# Altium PCB SmartWatch-V2.PcbDoc
Units mm, origin at the board's own origin, x right, y up, seen from the top; angles counter-clockwise.
Board outline 30.1 x 35.1 mm, 2 copper layers (Component Side, Bottom Layer), stack 0.581 mm thick; 80 components, 60 nets, 284 pads, 68 vias.
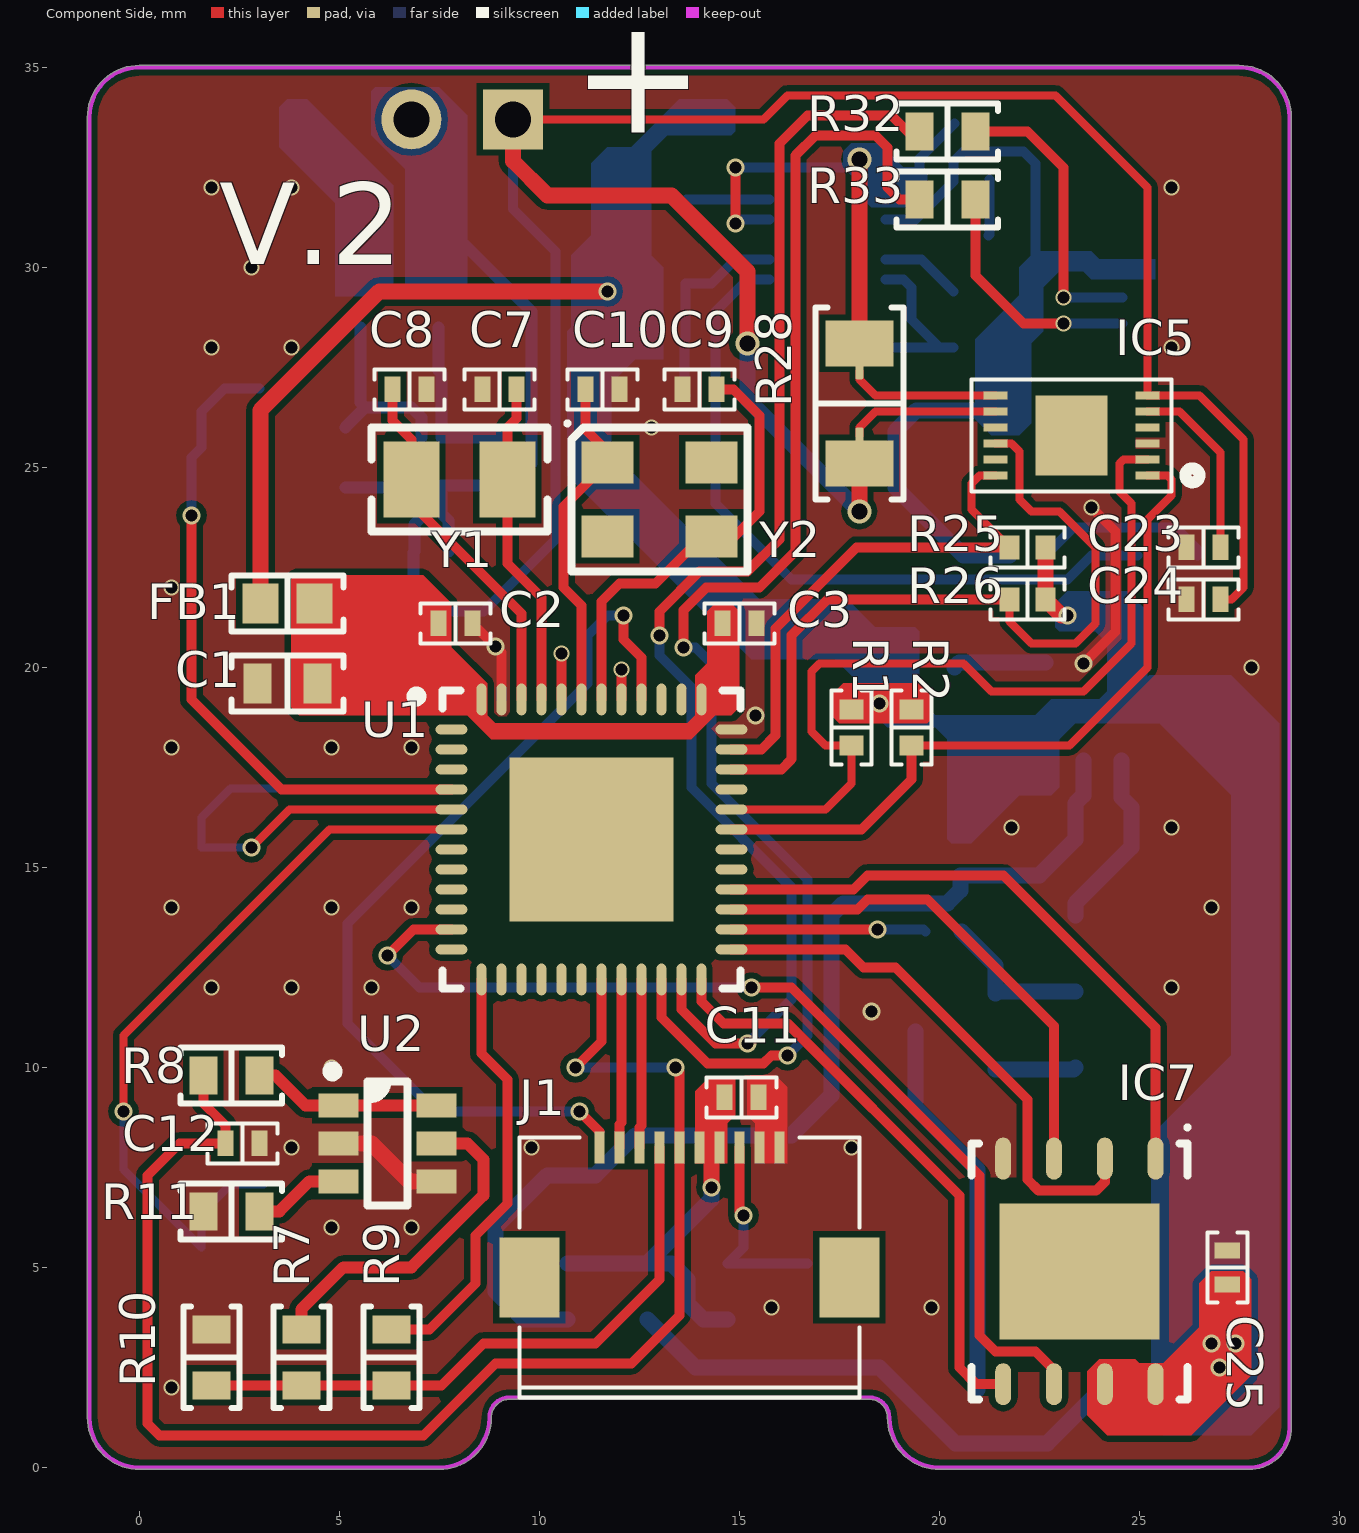
[diagram p0: Component Side view]
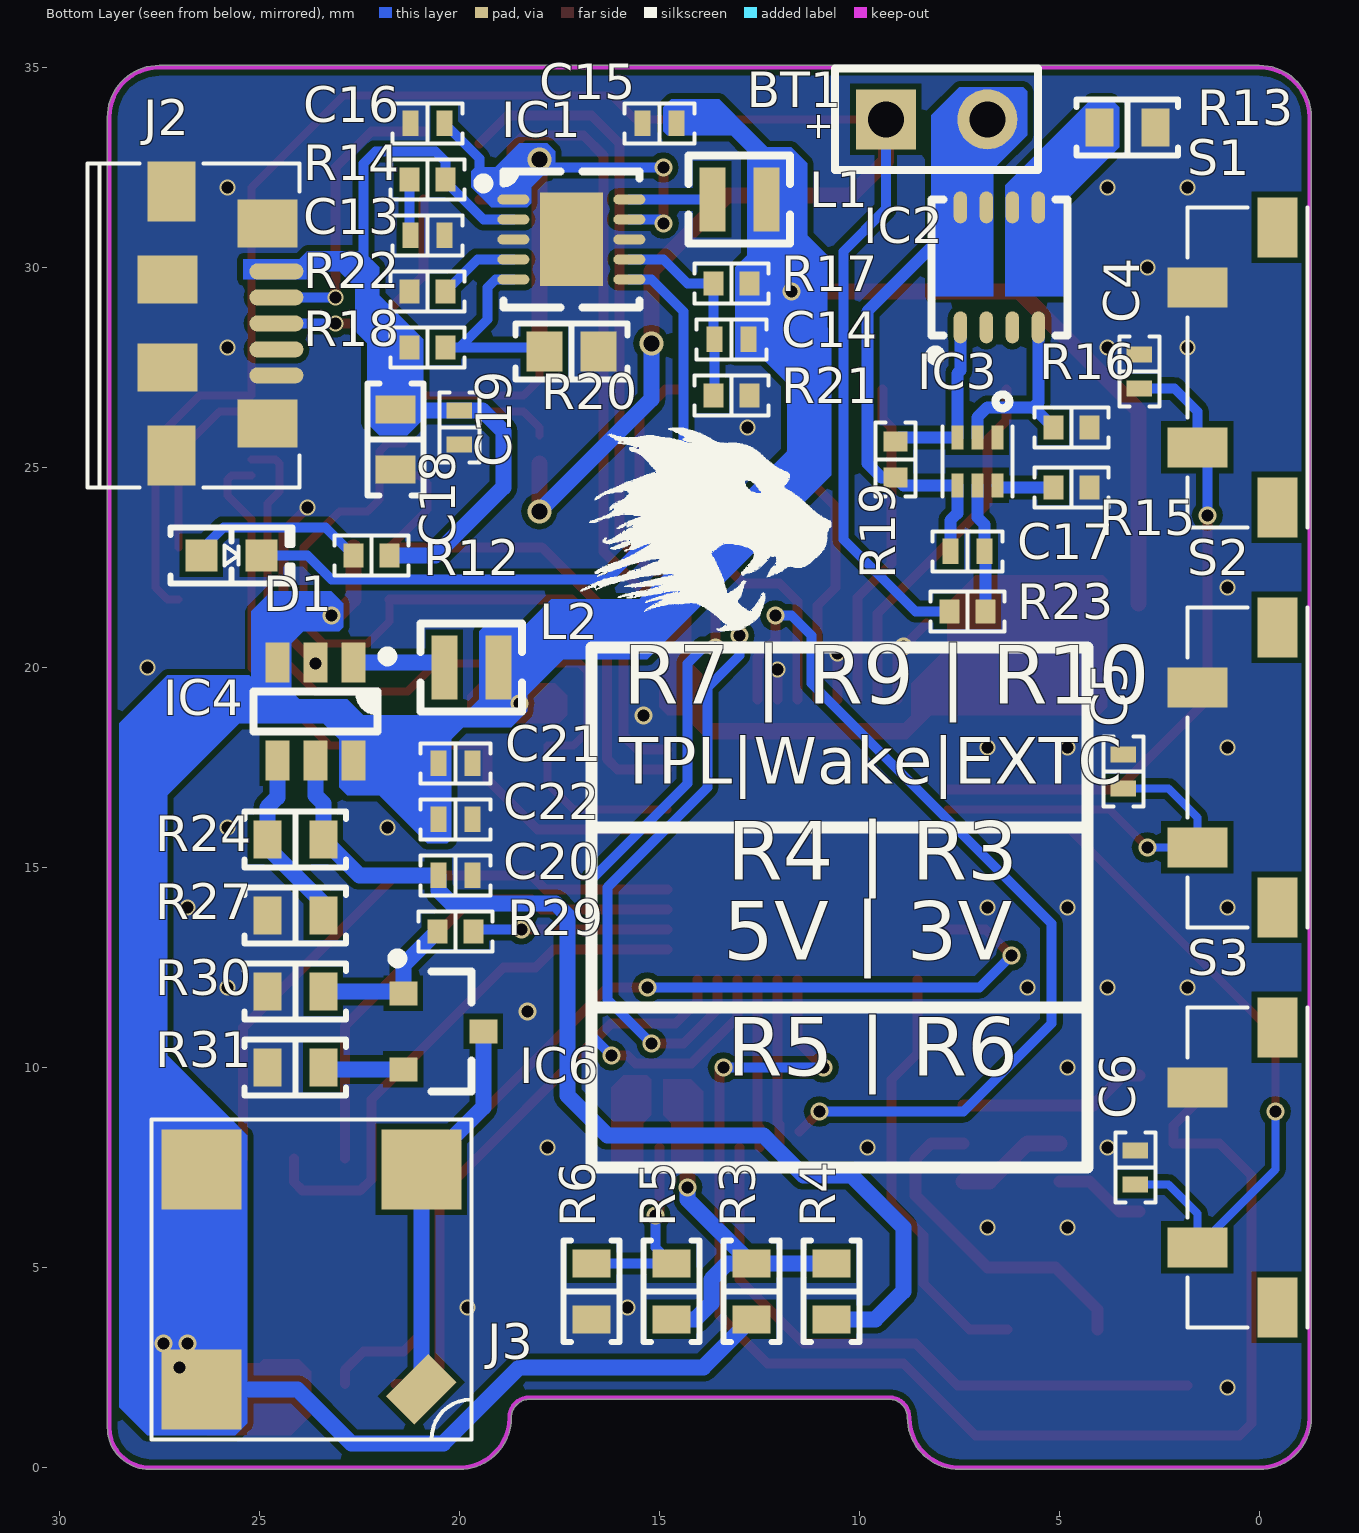
[diagram p1: Bottom Layer view, seen from below]
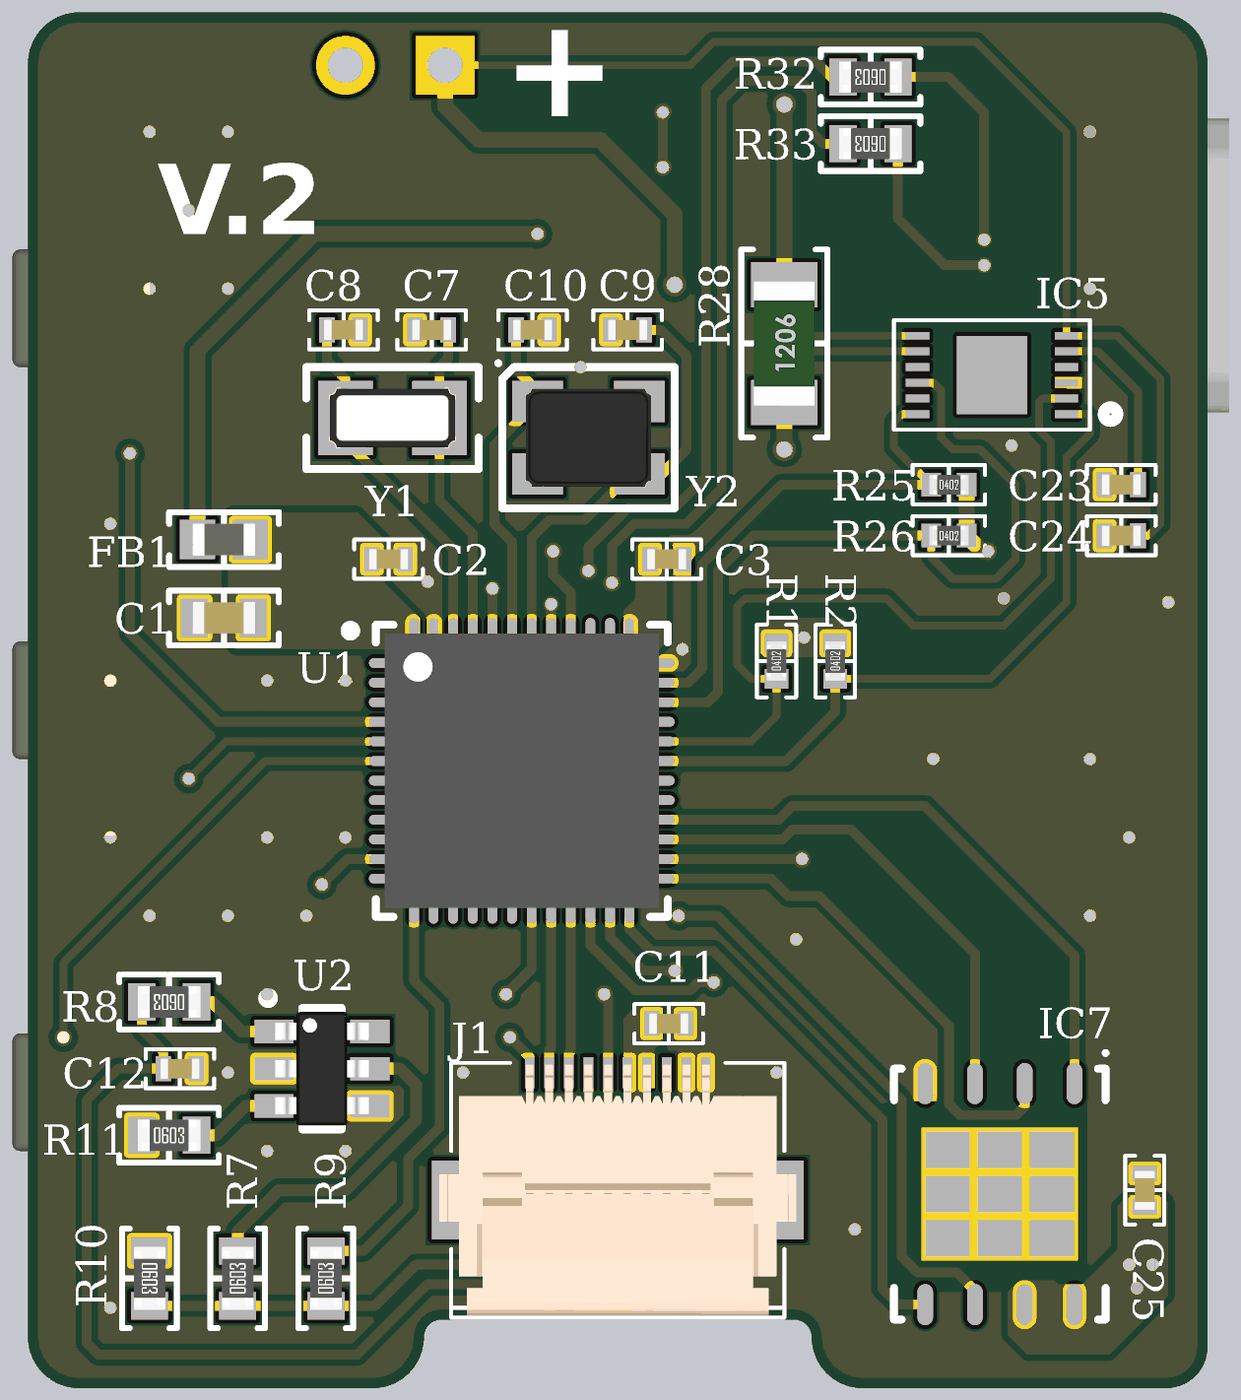
[diagram p2: 3D render of the assembled board from above, using the file's embedded part models]
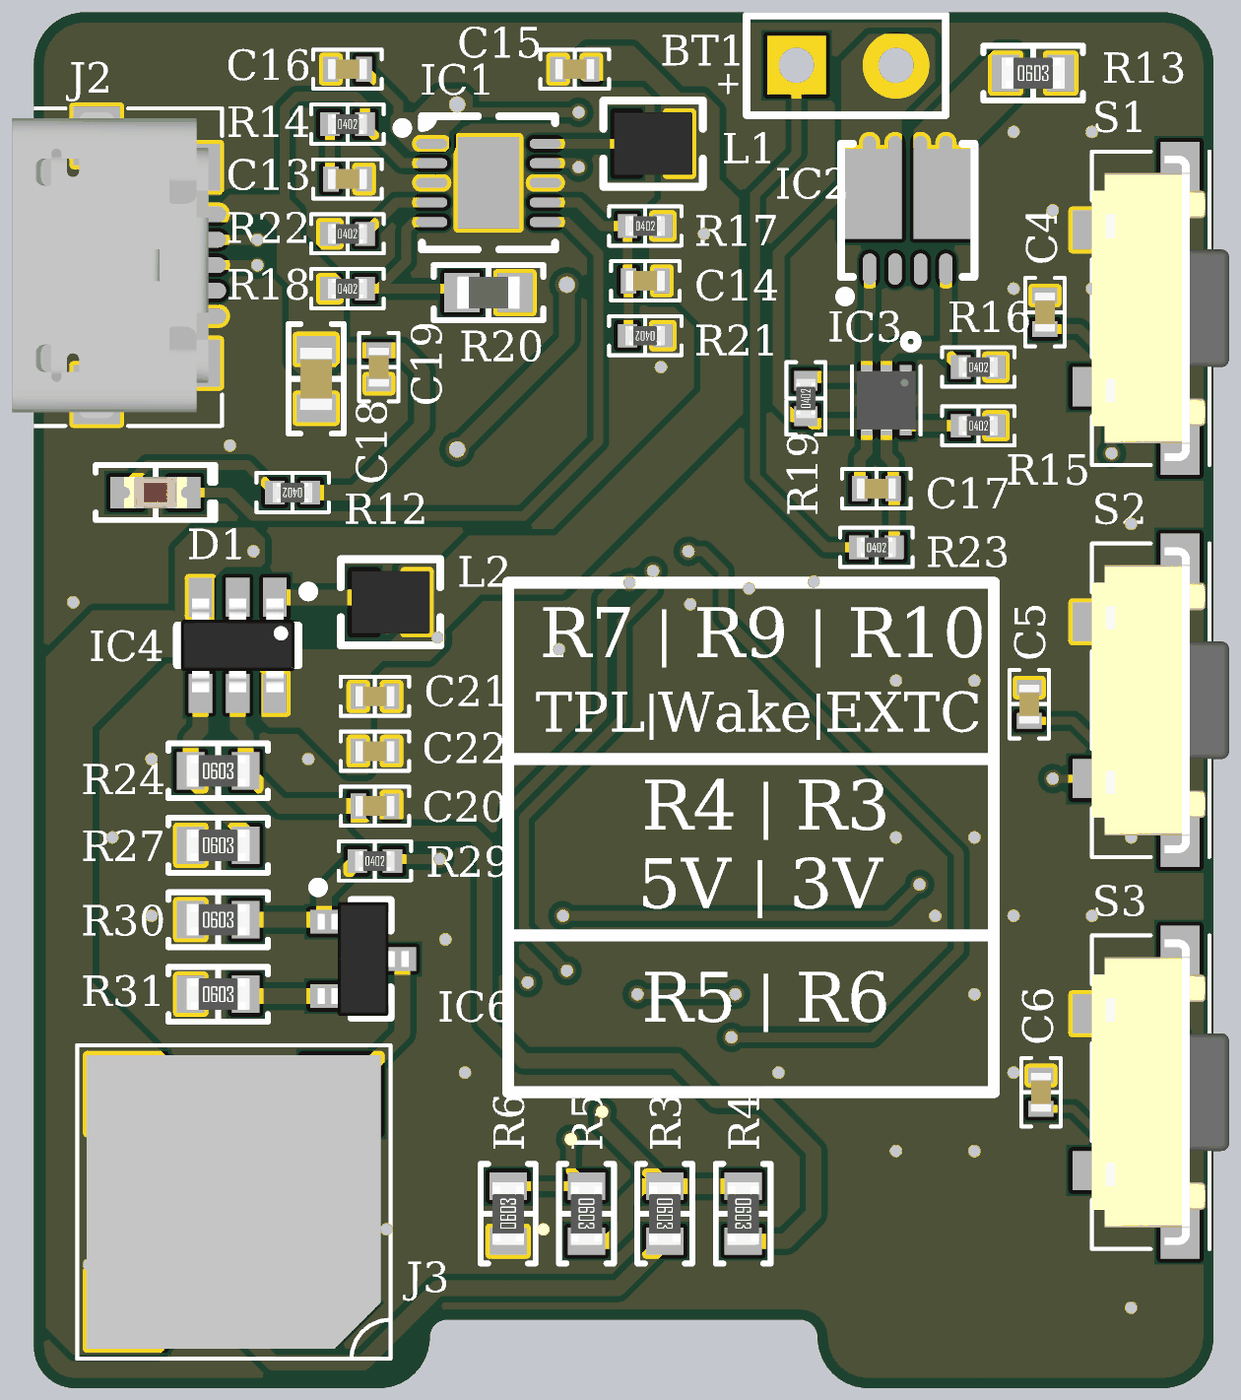
[diagram p3: 3D render of the assembled board from below, using the file's embedded part models]

## Layer stack, top to bottom
Top Solder: solder mask 0.0102, Solder Resist, Dk 3.5
Component Side: signal copper 0.0356
Dielectric 1: core 0.51, FR-4, Dk 4.2
Bottom Layer: signal copper 0.0356
Solder Side: solder mask 0.0102, Solder Resist, Dk 3.5

## Board outline
-1.3,1.25 ccw(c0,1.25) 0,-0.05 7.5,-0.05 ccw(c7.5,1.25) 8.8,1.25 cw(c9.25,1.25) 9.25,1.7 18.25,1.7 cw(c18.25,1.25) 18.7,1.25 ccw(c20,1.25) 20,-0.05 27.75,-0.05 ccw(c27.75,1) 28.8,1 28.8,33.75 ccw(c27.5,33.75) 27.5,35.05 0,35.05 ccw(c0,33.75) -1.3,33.75

## Design rules (kind name [scope] priority, off if disabled: settings)
BoardOutlineClearance [All] p1: gap=0.2 ignorepadtopadclearanceinfootprint=FALSE
Clearance [All] p1: gap=0.152 ignorepadtopadclearanceinfootprint=FALSE
DiffPairsRouting [All] p1: maxlimit=0.3 minlimit=0.2 mostfreqgap=0.2 toplayer_minwidth=0.15 toplayer_maxwidth=0.3 toplayer_prefwidth=0.2 bottomlayer_minwidth=0.15 bottomlayer_maxwidth=0.3 bottomlayer_prefwidth=0.2 maxuncoupledlength=12.7
MinimumSolderMaskSliver [All] p1: minsoldermaskwidth=0.1
PolygonConnect [All] p1: connectstyle=Direct reliefconductorwidth=0.254 reliefentries=4 polygonreliefangle="90 Angle" airgapwidth=0.254
RoutingVias [All] p1: holewidth=0.3 width=0.45 viastyle="Through Hole" minholewidth=0.3 minwidth=0.4 maxholewidth=0.5 maxwidth=0.65
SilkToSilkClearance [All] p1: silktosilkclearance=0.1
SilkToSolderMaskClearance [IsPad] p1: minsilkscreentomaskgap=0.1 clearancetoexposedcopper=TRUE
SolderMaskExpansion [All] p1: expansion=0.102 istentingtop=FALSE
Width [All] p1: maxlimit=0.4 minlimit=0.152 preferedwidth=0.2
26 further rules are at their usual default settings.

## Classes and differential pairs
component class U_SmartWatch-V2-Power: BT1 C13 C14 C15 C16 C17 C18 C19 C20 C21 C22 C23 C24 D1 IC1 IC2 IC3 IC4 IC5 J2 L1 L2 R12 R13 R14 R15 R16 R17 R18 R19 R20 R21 R22 R23 R24 R25 R26 R27 R28 R32 R33
component class SmartWatch-V2: C1 C2 C3 C4 C5 C6 C7 C8 C9 C10 C11 C12 FB1 J1 R1 R2 R3 R4 R5 R6 R7 R8 R9 R10 R11 S1 S2 S3 U1 U2 Y1 Y2
component class U_SmartWatch-V2-Sensors: C25 IC6 IC7 J3 R29 R30 R31
net class DIFF30: SR_N SR_P
differential pair SR: +SR_P -SR_N

## Components (designator, comment, footprint, x,y, rotation, side; value= is the part's Value field where it differs from the comment)
BT1 "Battery" BAT-2 8.07,33.7 r180 bottom
C1 "10uF" "CAP 0603/1608" 3.7,19.6 r0 top
C2 "0.1uF" "CAP 0402/1005" 7.9,21.1 r180 top
C3 "0.1uF" "CAP 0402/1005" 15,21.1 r180 top
C4 "0.1uF" "CAP 0402/1005" 3,27.4 r270 bottom
C5 "0.1uF" "CAP 0402/1005" 3.4,17.4 r270 bottom
C6 "0.1uF" "CAP 0402/1005" 3.1,7.5 r270 bottom
C7 "18pF" "CAP 0402/1005" 9,26.95 r180 top
C8 "18pF" "CAP 0402/1005" 6.75,26.95 r0 top
C9 "10pF" "CAP 0402/1005" 14,26.95 r180 top
C10 "10pF" "CAP 0402/1005" 11.575,26.95 r0 top
C11 "0.1uF" "CAP 0402/1005" 15.05,9.25 r180 top
C12 "0.1uF" "CAP 0402/1005" 2.575,8.1 r180 top
C13 "4.7uF" "CAP 0402/1005" 20.8,30.8 r0 bottom
C14 "10pF" "CAP 0402/1005" 13.2,28.2 r180 bottom
C15 "4.7uF" "CAP 0402/1005" 15,33.6 r180 bottom
C16 "4.7uF" "CAP 0402/1005" 20.8,33.6 r180 bottom
C17 "0.1uF" "CAP 0402/1005" 7.3,22.9 r180 bottom
C18 "10000pF" "CAP 0603/1608" 21.6,25.7 r90 bottom
C19 "0.1uF" "CAP 0402/1005" 20,26 r90 bottom
C20 "0.1uF" "CAP 0402/1005" 20.1,14.8 r0 bottom
C21 "10uF" "CAP 0402/1005" 20.1,17.6 r0 bottom
C22 "0.1uF" "CAP 0402/1005" 20.1,16.2 r0 bottom
C23 "0.47uF" "CAP 0402/1005" 26.6,23 r0 top
C24 "1uF" "CAP 0402/1005" 26.6,21.7 r0 top
C25 "0.1uF" "CAP 0402/1005" 27.2,5 r270 top
D1 "Red" "LED 0603/1608 RED" 25.7,22.8 r180 bottom value=Green
FB1 "1.5 kOhm @ 100MHz" "FER 0603/1608" 3.7,21.6 r0 top
IC1 "LTC4081" "LT DFN-10 3MMX3MM DD" 17.2,30.7 r180 bottom
IC2 "CSD87313DMS" "TI WSON-8 3.3X3.3MM" 6.5,30 r90 bottom
IC3 "BQ29723DSET" "TI WSON-6" 7.05,25.15 r270 bottom
IC4 "TI TPS6107x" "TI SOT-23-6 DDC" 23.6,18.9 r270 bottom
IC5 "BQ27441-G1" "TI VSON-12 2.5X4MM" 25.1,24.8 r180 top
IC6 "2N7002,215" "NXP SOT-23-3 TO-236AB" 20.4,10.9 r180 bottom
IC7 "MX25R3235FZNIL0" "SPANSION WSON-8 6X5MM" 23.5,4.9 r270 top
J1 "FH12-10S-0.5SH(55)" FH12-10S-0.5SH(55) 13.75,5 r180 top
J2 "MOLEX 0473461001" "MOLEX 0473461001" 27,28.6 r90 bottom
J3 "BUZZER" ST-025BH 23.7,4.7 r0 bottom
L1 "74404020100" "TDK VLS201612CX" 13,31.7 r180 bottom value=10uH
L2 "4.7uH" "TDK VLS201612CX" 19.7,20 r0 bottom
R1 "10k" "RES 0402/1005" 17.8,18.5 r90 top
R2 "10k" "RES 0402/1005" 19.3,18.5 r90 top
R3 "0.0" "RES 0603/1608" 12.7,4.4 r270 bottom
R4 "0.0" "RES 0603/1608" 10.7,4.4 r270 bottom
R5 "0.0" "RES 0603/1608" 14.7,4.4 r270 bottom
R6 "0.0" "RES 0603/1608" 16.7,4.4 r90 bottom
R7 "0.0" "RES 0603/1608" 4.05,2.75 r90 top
R8 "0.0" "RES 0603/1608" 2.3,9.8 r180 top
R9 "0.0" "RES 0603/1608" 6.3,2.75 r90 top
R10 "0.0" "RES 0603/1608" 1.8,2.75 r270 top
R11 "4.3k" "RES 0603/1608" 2.3,6.4 r0 top
R12 "560" "RES 0402/1005" 22.2,22.8 r0 bottom
R13 "0.56" "RES 0603/1608" 3.3,33.5 r180 bottom
R14 "1" "RES 0402/1005" 20.8,32.2 r180 bottom
R15 "2.2k" "RES 0402/1005" 4.7,24.5 r180 bottom
R16 "5.1M" "RES 0402/1005" 4.7,26 r180 bottom
R17 "1M" "RES 0402/1005" 13.2,29.6 r180 bottom
R18 "100k" "RES 0402/1005" 20.8,28 r180 bottom
R19 "5.1M" "RES 0402/1005" 9.1,25.2 r90 bottom
R20 "#NAME?" "FER 0603/1608" 17.2,27.9 r0 bottom
R21 "360k" "RES 0402/1005" 13.2,26.8 r0 bottom
R22 "2.2k" "RES 0402/1005" 20.8,29.4 r180 bottom
R23 "330" "RES 0402/1005" 7.3,21.4 r180 bottom
R24 "1.8M" "RES 0603/1608" 24.1,15.7 r180 bottom
R25 "5.1k" "RES 0402/1005" 22.2,23 r0 top
R26 "1.8M" "RES 0402/1005" 22.2,21.7 r0 top
R27 "200k" "RES 0603/1608" 24.1,13.8 r180 bottom
R28 "Value" "CURRENT RES CSR1206" 18,26.6 r90 top net-tie
R29 "10k" "RES 0402/1005" 20.1,13.4 r180 bottom
R30 "10k" "RES 0603/1608" 24.1,11.9 r180 bottom
R31 "5.1" "RES 0603/1608" 24.1,10 r180 bottom
R32 "0.0" "RES 0603/1608" 20.2,33.4 r180 top
R33 "0.0" "RES 0603/1608" 20.2,31.7 r180 top
S1 "TL3330" TL3330 0.05,27.5 r270 bottom
S2 "TL3330" TL3330 0.05,17.5 r270 bottom
S3 "TL3330" TL3330 0.05,7.5 r270 bottom
U1 "MSP430FR5969IRGZ" TI-RGZ48-4100X4100TP_N 11.3,15.7 r0 top
U2 "TPL5111" "TI SOT-23-6 DDC" 6.2,8.1 r0 top
Y1 "32.768kHz" "ABRACON ABS07" 8,24.7 r0 top
Y2 "48MHz" "Kyocera CX3225GB" 13,24.2 r0 top

## Footprints (in the part's own frame and the unit in brackets; to place one, negate y for a bottom-side part, rotate by r counter-clockwise, add the part's x,y. Pads: shape width x height; smd on the part's side, far side on the other; paste and mask are expansions set on the pad)
"ABRACON ABS07" [mm] "Crystal, 2-Leads, Body 3.20x1.50mm, IPC Medium Density"
  rect 1.4x1.9 smd: 1(-1.2,0) 2(1.2,0)
  silkscreen extent -2.2,-1.3 2.2,1.3, body extent -1.62,-0.77 1.63,0.78, height 0.9
BAT-2 [mm] "Battery; 2 Leads"
  rect 1.5x1.5 hole 0.9: 1(-1.27,0)
  round 1.5 hole 0.9: 2(1.27,0)
  silkscreen extent -2.54,-1.27 2.54,1.27
"CAP 0402/1005" [mm] "Chip Capacitor, 2-Leads, Body 1.02x0.51mm, IPC Medium Density"
  rect 0.4x0.64 smd: 1(-0.425,0) 2(0.425,0)
  silkscreen extent -0.87,-0.5 0.88,0.5, body extent -0.5,-0.26 0.5,0.26, height 0.52
"CAP 0603/1608" [mm] "Chip Capacitor, 2-Leads, Body 1.60x0.80mm, IPC Medium Density"
  rect 0.7x1 smd: 1(-0.75,0) 2(0.75,0)
  silkscreen extent -1.4,-0.7 1.4,0.7, body extent -0.8,-0.41 0.8,0.41, height 0.82
"CURRENT RES CSR1206" [mm] "Chip Resistor, 2-Leads, Body 3.13x1.55mm, IPC Medium Density"
  rect 1.15x1.7 smd: 1(-1.5,0) 2(1.5,0)
  rrect50% 0.4x0.2 smd: 3(-0.8,0) 4(0.8,0)
  silkscreen extent -2.4,-1.1 2.4,1.1, body extent -1.6,-0.78 1.6,0.77, height 0.55
"FER 0603/1608" [mm] "Chip Ferrite, 2-Leads, Body 1.60x0.80mm, IPC Medium Density"
  rect 0.9x1 smd: 1(-0.675,0) 2(0.675,0)
  silkscreen extent -1.4,-0.7 1.4,0.7, body extent -0.8,-0.41 0.8,0.41, height 0.82
FH12-10S-0.5SH(55) [mm] "10 Position FFC, FPC Connector Contacts, Bottom 0.020\" (0.50mm) Surface Mount, Right Angle"
  rect 0.25x0.8 smd: 1(2.25,-3) 2(1.75,-3) 3(1.25,-3) 4(0.75,-3) 5(0.25,-3) 6(-0.25,-3) 7(-0.75,-3) 8(-1.25,-3) 9(-1.75,-3) 10(-2.25,-3)
  rect 1.5x2 smd: 11(-4,0.25) 12(4,0.25)
  silkscreen extent -4.25,-3.25 4.25,3.25, body extent -4.55,-3.2 4.55,3.2, height 2.09
"Kyocera CX3225GB" [mm] "Crystal, 4-Leads, Body 2.50x3.20mm, Pitch 2.20mm, IPC Medium Density"
  rect 1.3x1.05 smd: 1(-1.3,0.925) 2(-1.3,-0.925) 3(1.3,-0.925) 4(1.3,0.925)
  silkscreen extent -2.35,-1.8 2.2,1.95, body extent -1.61,-1.26 1.61,1.26, height 0.85
"LED 0603/1608 RED" [mm] "Chip Diode, 2-Leads, Body 1.60x0.80mm, IPC Medium Density"
  rect 0.8x0.8 smd: 1(-0.75,0) 2(0.75,0)
  silkscreen extent -1.52,-0.7 1.52,0.7, body extent -0.8,-0.4 0.8,0.4, height 0.53
"LT DFN-10 3MMX3MM DD" [mm] "DFN, 10-Leads, Body 3.00x3.00mm, Pitch 0.50mm, Thermal Pad 1.58x2.34mm, IPC Medium Density"
  oval 0.8x0.25 smd: 1(-1.45,1) 2(-1.45,0.5) 3(-1.45,0) 4(-1.45,-0.5) 5(-1.45,-1) 6(1.45,-1) 7(1.45,-0.5) 8(1.45,0) 9(1.45,0.5) 10(1.45,1)
  rect 1.58x2.34 smd: 11(0,0)
  silkscreen extent -2.33,-1.7 1.7,1.7, body extent -1.55,-1.55 1.55,1.55, height 1
"MOLEX 0473461001" [mm] "USB - micro B"
  oval 0.4x1.35 smd: 1(1.3,-2.425) 2(0.65,-2.425) 3(0,-2.425) 4(-0.65,-2.425) 5(-1.3,-2.425)
  rect 1.5x1.2 smd: S(-3.3,0.2) S(3.3,0.2)
  rect 1.2x1.5 smd: S(-2.5,-2.2) S(-1.1,0.3) S(1.1,0.3) S(2.5,-2.2)
  silkscreen extent -4.1,-3 4,2.3, body extent -3.9,-2.65 3.9,2.35, height 2.7
"NXP SOT-23-3 TO-236AB" [mm] "SOT23, 3-Leads, Body 2.90x2.40mm, Pitch 0.95mm, IPC Medium Density"
  rect 0.7x0.6 smd: 1(-1,0.95) 2(1,0) 3(-1,-0.95)
  silkscreen extent -1.28,-1.5 0.7,1.95, body extent -1.16,-1.45 1.16,1.45, height 1.5
"RES 0402/1005" [mm] "Chip Resistor, 2-Leads, Body 1.0x0.5mm, IPC Medium Density"
  rect 0.5x0.6 smd: 1(-0.45,0) 2(0.45,0)
  silkscreen extent -0.92,-0.5 0.92,0.5, body extent -0.5,-0.25 0.5,0.25, height 0.35
"RES 0603/1608" [mm] "Chip Resistor, 2-Leads, Body 1.60x0.80mm, IPC Medium Density"
  rect 0.7x0.95 smd: 1(-0.7,0) 2(0.7,0)
  silkscreen extent -1.27,-0.7 1.27,0.7, body extent -0.8,-0.4 0.8,0.4, height 0.45
"SPANSION WSON-8 6X5MM" [mm] "SON, 8-Leads, Body 5.00x6.00mm, Pitch 1.27mm, Thermal Pad 4.00x3.40mm, IPC Medium Density"
  oval 1.05x0.4 smd: 1(-2.82,1.905) 2(-2.82,0.635) 3(-2.82,-0.635) 4(-2.82,-1.905) 5(2.82,-1.905) 6(2.82,-0.635) 7(2.82,0.635) 8(2.82,1.905)
  rect 3.4x4 smd paste-1.7 mask+0: 9(0,0)
  silkscreen extent -3.65,-2.7 3.2,2.75, body extent -3.05,-2.55 3.05,2.55, height 0.8
ST-025BH [mm] "SMD Buzzer 7.5x7.5mm"
  rect 2x2 smd: 1(-2.75,-2.75) 2(2.75,-2.75) 2(2.75,2.75)
  rect 1.5x1 smd rot 45: 1(-2.75,2.75)
  silkscreen extent -4,-4 4,4, body extent -3.75,-3.75 3.75,3.75, height 2.5
"TDK VLS201612CX" [mm] "Inductor, 2-Leads, Body 2.00x1.60mm, IPC Medium Density"
  rect 0.65x1.6 smd: 1(-0.675,0) 2(0.675,0)
  silkscreen extent -1.27,-1.1 1.27,1.1, body extent -1,-0.8 1,0.8, height 1.2
"TI SOT-23-6 DDC" [mm] "SOT23, 6-Leads, Body 2.90x2.80mm, Pitch 0.95mm, IPC Medium Density"
  rect 1x0.6 smd: 1(-1.225,0.95) 2(-1.225,0) 3(-1.225,-0.95) 4(1.225,-0.95) 5(1.225,0) 6(1.225,0.95)
  silkscreen extent -1.5,-1.55 0.5,1.92, body extent -1.19,-1.45 1.19,1.45, height 1
"TI VSON-12 2.5X4MM" [mm] "0.4mm pitch"
  rect 0.6x0.2 smd: 1(-0.1,0) 2(-0.1,-0.4) 3(-0.1,-0.8) 4(-0.1,-1.2) 5(-0.1,-1.6) 6(-0.1,-2) 7(3.7,-2) 8(3.7,-1.6) 9(3.7,-1.2) 10(3.7,-0.8) 11(3.7,-0.4) 12(3.7,0)
  rect 1.8x2 smd: 13(1.8,-1)
  silkscreen extent -1.4,-2.4 4.3,0.4
"TI WSON-6" [mm] "1.5x1.5x0.75mm, 6pins, Pitch=0.5mm"
  rect 0.6x0.3 smd: 1(-0.6,0.5) 2(-0.6,0) 3(-0.6,-0.5) 4(0.6,-0.5) 5(0.6,0) 6(0.6,0.5)
  silkscreen extent -1.67,-0.88 0.87,0.87, body extent -0.77,-0.75 0.77,0.75, height 0.75
"TI WSON-8 3.3X3.3MM" [mm] "PG-TSDSOFN, 8-Leads, Body 3.30x3.30mm, Pitch 0.65mm, Thermal Pad 1.70x1.70mm, IPC Medium Density"
  oval 0.8x0.34 smd: 1(-1.5,0.975) 2(-1.5,0.325) 3(-1.5,-0.325) 4(-1.5,-0.975) 5(1.5,-0.975) 6(1.5,-0.325) 7(1.5,0.325) 8(1.5,0.975)
  Component Side region: -0.725,-0.15 1.575,-0.15 1.575,-1.6 -0.725,-1.6
  Component Side region: -0.725,1.7 1.575,1.7 1.575,0.15 -0.725,0.15
  silkscreen extent -2.32,-1.7 1.7,1.73, body extent -1.7,-1.7 1.7,1.7, height 1.1
TI-RGZ48-4100X4100TP_N [mm] "QFN, 48-Leads, Body 7x7mm, Pitch 0.5mm, Thermal Pad 4.1x4.1mm, IPC Medium Density"
  oval 0.8x0.25 smd: 1(-3.5,2.75) 2(-3.5,2.25) 3(-3.5,1.75) 4(-3.5,1.25) 5(-3.5,0.75) 6(-3.5,0.25) 7(-3.5,-0.25) 8(-3.5,-0.75) 9(-3.5,-1.25) 10(-3.5,-1.75) 11(-3.5,-2.25) 12(-3.5,-2.75) 25(3.5,-2.75) 26(3.5,-2.25) 27(3.5,-1.75) 28(3.5,-1.25) 29(3.5,-0.75) 30(3.5,-0.25) 31(3.5,0.25) 32(3.5,0.75) 33(3.5,1.25) 34(3.5,1.75) 35(3.5,2.25) 36(3.5,2.75)